# Altium PCB LimePSB-RPCM_1v2.PcbDoc (part 5 of 10) (continued)
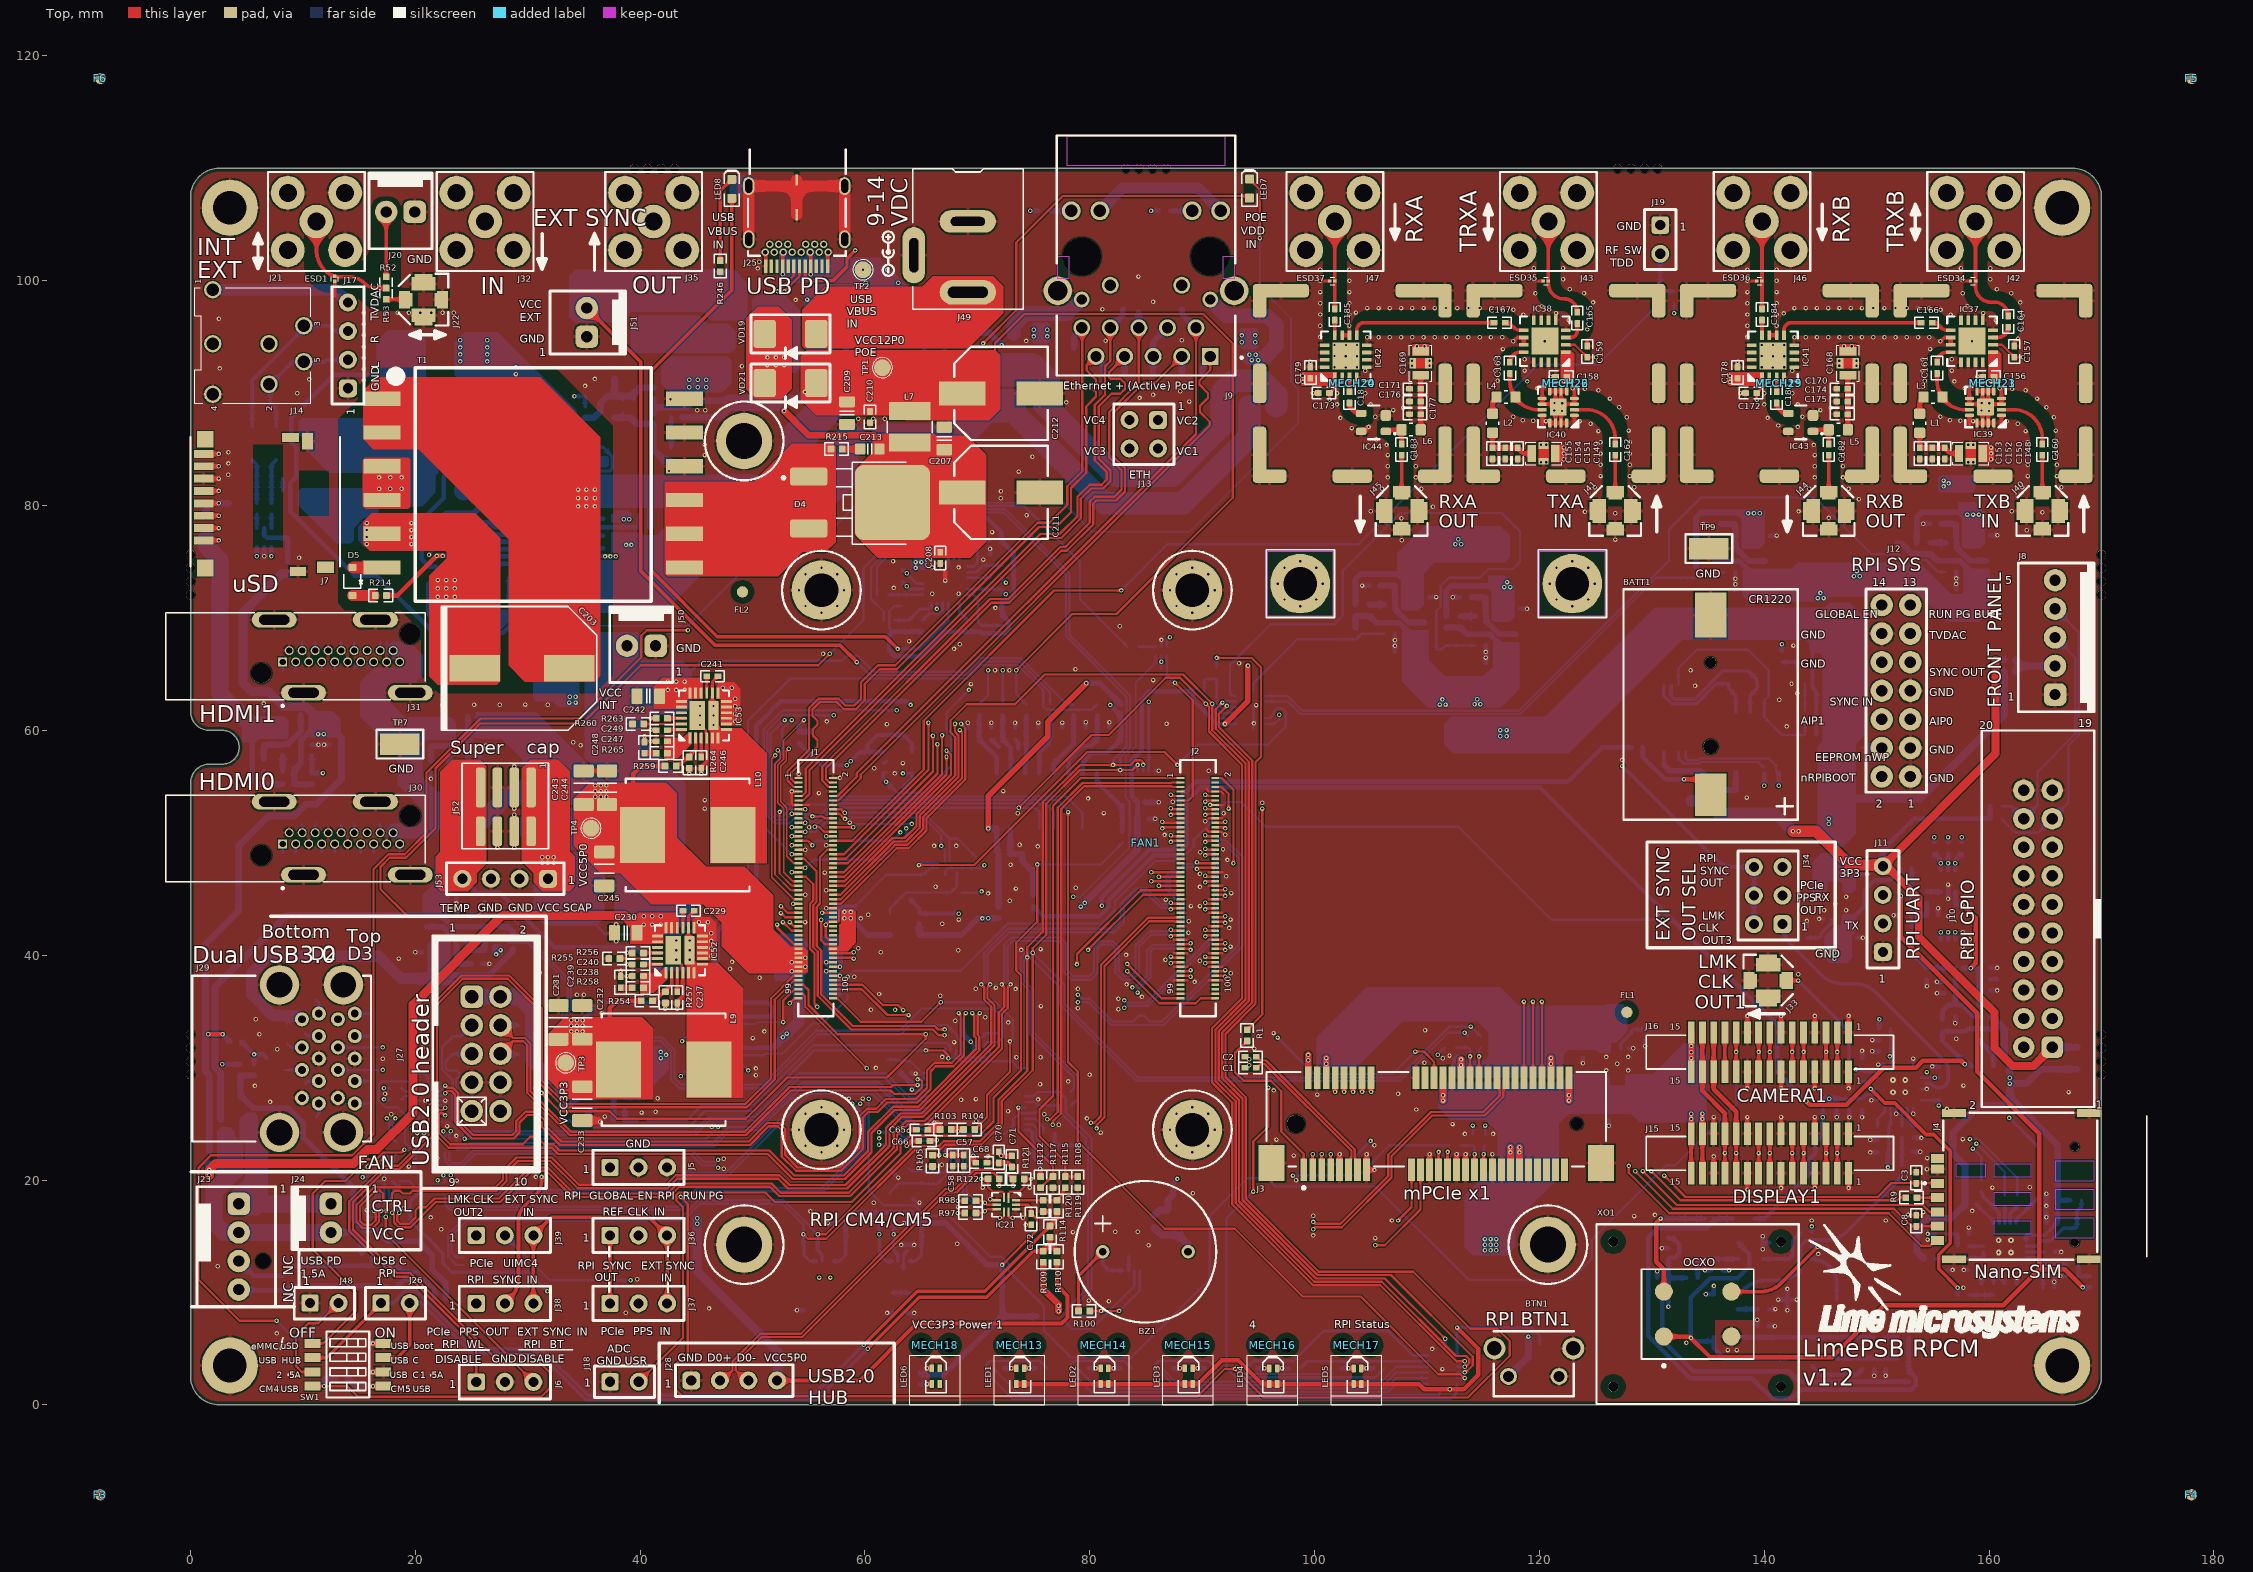
[diagram p0: Top view]
## Nets (pads, with @x,y where several pads share a name; then routed paths per layer and width w, separated by ;. In a path a pad name is that pad's centre, name@x,y a point inside that pad or via, vN(x,y) a via of type N, cw(c..) or ccw(c..) an arc to the next point about the centre after c; other vN are vias at no path point) (continued)
  other v2: 160.85,13.55 161.95,13.55 160.85,14.65 161.95,14.65 151.45,27.8 152.55,27.8 151.45,28.9 152.55,28.9 43.2,39.6 43.2,40.45 43.2,41.3 45.325,60.475 45.325,61.325 45.325,62.175
GNDE1: C204.1 FR12.2 IC49.6 IC49.8 IC49.9 IC49.10 IC49.PAD R213.1 R216.1 R219.2 R225.2 | length 40.4
  Bottom w0.4: IC49.PAD@31.775,76.125 IC49.6@34.454,76.125
  Bottom w3: IC49.PAD@31.45,76.45 31.45,73.8 33.325,71.925 41.45,71.925 ; 41.45,71.95 47.025,77.525 52.65,77.525 57.9,82.775 57.9,85 58.7,85.8
  other v1: 38.75,76.5 39.225,76.5 38.55,78.775 39.025,78.775
GNDE2: AT1.3 C202.1 C203.2 C206.2 C214.1 C215.1 C216.2 C217.2 C219.1 IC49.7 IC49.14 IC49.19 R230.1 R231.1 T1.5 VT4.3 | length 34
  Bottom w0.4: C206.2@25.425,73.2 25.691,73.466 25.691,73.691 27.475,75.475 IC49.14@28.446,75.475 ; C219.1@26.75,80.6 26.75,79.55 27.575,78.725 IC49.19@28.446,78.725 ; IC49.7@34.454,75.475 v1(36.875,75.475) v1(37.825,75.475)
  Bottom w0.6: C214.1@21.95,77.275 21.95,77.95 22.225,78.225 C215.1@22.225,78.5 22.225,78.725 22.775,79.275 25.15,79.275 26.384,80.509 26.659,80.509 C219.1@26.75,80.6
  Bottom w1: VT4.3@24.125,86.9 24.125,91.514 24.711,92.1 24.9,92.1 25.2,92.4 R231.1@25.2,93.425 ; C219.1@26.75,80.6 26.75,81.125 29.75,84.125 C202.1@34.5,84.125
  other v1: 22,71.875 22.75,71.875 23.5,71.875 22,72.625 22.75,72.625 23.5,72.625 22,73.375 22.75,73.375 23.5,73.375 37.35,75.475 15.675,76.575 19.65,76.575 15.675,77.2 19.65,77.2 15.675,77.825 19.65,77.825 15.675,78.45 19.65,78.45 28.95,91.7 28.95,92.325 24,92.825 26.4,92.825 24,93.45 26.4,93.45 24,94.075 26.4,94.075 24,94.7 26.4,94.7
HDMI0_CEC: ESD10.1 J2.51 J30.13 | length 84.4
  Top w0.2: v1(78.858,39.175) 78.858,40.108 84.525,45.775 J2.51@88.085,45.775
  L3 w0.1: J30.13@15.136,49.898 15.614,49.42 15.614,47.403 20.042,42.975 30.7,42.975 36.625,37.05 60.424,37.05 61.774,38.4 78.083,38.4 v1(78.858,39.175)
  Bottom w0.15: ESD10.1@15.136,49.075 J30.13@15.136,49.898
HDMI0_CLK_N: ESD9.1 J2.90 J30.12 | length 92.3
  Top w0.2: J2.90@91.165,38.175 91.95,38.175 v1(92.05,38.075)
  L3 w0.1: J30.12@14.558,50.898 14.08,51.376 14.08,51.83 14.375,52.125 17.75,52.125 22.275,47.6 22.275,45.484 22.734,45.025 34.115,45.025 ccw(c34.115,45.485) 34.575,45.485 34.575,46.797 cw(c34.835,46.797) 34.835,47.057 34.915,47.057 cw(c34.915,46.797) 35.175,46.797 35.175,45.485 ccw(c35.635,45.485) 35.635,45.025 44.917,45.025 48.967,40.975 87.517,40.975 88.617,39.875 89.55,39.875 89.925,40.25 90.525,40.25 91.25,39.525 91.25,38.575 91.55,38.275 91.841,38.275 92.041,38.075 v1(92.05,38.075)
  Bottom w0.15: J30.12@14.558,50.898 ESD9.1@14.558,51.722
HDMI0_CLK_P: ESD8.1 J2.88 J30.10 | length 92.7
  Top w0.2: J2.88@91.165,38.575 91.95,38.575 v1(92.05,38.675)
  L3 w0.1: J30.10@13.402,50.898 13.88,51.376 13.88,51.913 14.292,52.325 17.833,52.325 17.983,52.175 22.475,47.683 22.475,45.567 22.817,45.225 34.115,45.225 ccw(c34.115,45.485) 34.375,45.485 34.375,46.797 cw(c34.835,46.797) 34.835,47.257 34.915,47.257 cw(c34.915,46.797) 35.375,46.797 35.375,45.485 ccw(c35.635,45.485) 35.635,45.225 45,45.225 49.05,41.175 87.6,41.175 88.7,40.075 89.467,40.075 89.842,40.45 90.608,40.45 91.075,39.983 91.45,39.608 91.45,38.658 91.633,38.475 91.841,38.475 92.041,38.675 v1(92.05,38.675)
  Bottom w0.15: J30.10@13.402,50.898 ESD8.1@13.402,51.722
HDMI0_D0_N: ESD7.1 J2.84 J30.9 | length 92.3
  Top w0.2: v1(90.28,39.275) 90.38,39.375 J2.84@91.165,39.375
  L3 w0.1: J30.9@12.824,49.898 12.346,49.42 12.346,48.587 12.85,48.083 12.85,47.029 13.104,46.775 13.65,46.775 13.85,46.575 13.85,46.029 17.454,42.425 30,42.425 35.875,36.55 60.267,36.55 61.892,38.175 83.742,38.175 85.612,40.045 85.612,40.462 85.825,40.675 86.3,40.675 86.525,40.45 86.85,40.45 87.075,40.675 87.35,40.675 88.6,39.425 89.233,39.425 90.258,38.4 90.7,38.4 90.825,38.525 90.825,39.375 90.725,39.475 90.489,39.475 90.289,39.275 v1(90.28,39.275)
  Bottom w0.15: ESD7.1@12.824,49.075 J30.9@12.824,49.898
HDMI0_D0_P: ESD6.1 J2.82 J30.7 | length 92.4
  Top w0.2: v1(90.28,39.875) 90.38,39.775 J2.82@91.165,39.775
  L3 w0.1: J30.7@11.668,49.898 12.146,49.42 12.146,48.504 12.65,48 12.65,46.946 17.371,42.225 29.917,42.225 35.792,36.35 60.35,36.35 61.975,37.975 83.825,37.975 86.075,40.225 87.517,40.225 88.517,39.225 89.15,39.225 90.009,38.366 90.175,38.2 90.783,38.2 91.025,38.442 91.025,38.692 91.025,39.458 90.808,39.675 90.489,39.675 90.289,39.875 v1(90.28,39.875)
  Bottom w0.15: ESD6.1@11.668,49.075 J30.7@11.668,49.898
HDMI0_D1_N: ESD5.1 J2.78 J30.6 | length 92.3
  Top w0.2: J2.78@91.165,40.575 91.95,40.575 v1(92.05,40.475)
  L3 w0.1: J30.6@11.09,50.898 10.6,51.388 10.6,51.992 10.783,52.175 12.225,52.175 14.65,54.6 19.9,54.6 23.75,50.75 40.267,50.75 49.492,41.525 82.9,41.525 85.733,41.525 86.833,42.625 87.367,42.625 88.542,41.45 89.3,41.45 89.675,41.075 91.05,41.075 91.45,40.675 91.841,40.675 92.041,40.475 v1(92.05,40.475)
  Bottom w0.15: J30.6@11.09,50.898 ESD5.1@11.09,51.722
HDMI0_D1_P: ESD4.1 J2.76 J30.4 | length 92.7
  Top w0.2: J2.76@91.165,40.975 91.95,40.975 v1(92.05,41.075)
  L3 w0.1: J30.4@9.934,50.898 10.4,51.364 10.4,52.075 10.7,52.375 12.142,52.375 14.567,54.8 19.983,54.8 23.833,50.95 40.35,50.95 49.575,41.725 85.65,41.725 86.75,42.825 87.45,42.825 88.625,41.65 89.383,41.65 89.758,41.275 91.133,41.275 91.533,40.875 91.841,40.875 92.041,41.075 v1(92.05,41.075)
  Bottom w0.15: J30.4@9.934,50.898 ESD4.1@9.934,51.722
HDMI0_D2_N: ESD3.1 J2.72 J30.3 | length 92.4
  Top w0.2: v1(90.28,41.675) 90.38,41.775 J2.72@91.165,41.775
  L3 w0.1: J30.3@9.356,49.898 9.356,51.981 10.1,52.725 12.033,52.725 14.433,55.125 20.167,55.125 23.992,51.3 40.642,51.3 49.842,42.1 85.533,42.1 86.458,43.025 87.825,43.025 88.4,42.45 89.05,42.45 89.625,41.875 90.071,41.875 90.271,41.675 v1(90.28,41.675)
  Bottom w0.15: ESD3.1@9.356,49.075 J30.3@9.356,49.898
HDMI0_D2_P: ESD2.1 J2.70 J30.1 | length 93.1
  Top w0.2: v1(90.28,42.275) 90.38,42.175 J2.70@91.165,42.175
  L3 w0.1: J30.1@8.2,49.898 8.2,51.125 10,52.925 11.95,52.925 14.35,55.325 20.25,55.325 24.075,51.5 40.725,51.5 49.925,42.3 85.45,42.3 86.375,43.225 87.908,43.225 88.483,42.65 89.133,42.65 89.708,42.075 90.071,42.075 90.271,42.275 v1(90.28,42.275)
  Bottom w0.15: ESD2.1@8.2,49.075 J30.1@8.2,49.898
HDMI0_HPD: ESD13.1 J2.53 J30.19 | length 82.6
  Top w0.2: v1(79.85,40.475) 84.75,45.375 J2.53@88.085,45.375
  L3 w0.1: J30.19@18.604,49.898 17.07,48.364 17.07,46.796 20.291,43.575 30.949,43.575 36.874,37.65 60.175,37.65 61.675,39.15 77.125,39.15 78.45,40.475 v1(79.85,40.475)
  Bottom w0.15: ESD13.1@18.604,49.075 J30.19@18.604,49.898
HDMI0_SCL: ESD11.1 J2.100 J30.15 | length 85.8
  Top w0.2: v1(83.325,38.575) 86.175,35.725 89.425,35.725 89.875,36.175 J2.100@91.165,36.175
  L3 w0.1: J30.15@16.292,49.898 15.814,49.42 15.814,47.486 20.125,43.175 30.783,43.175 36.708,37.25 60.341,37.25 61.716,38.625 77.65,38.625 78.625,39.6 79.225,39.6 80.25,38.575 v1(83.325,38.575)
  Bottom w0.15: ESD11.1@16.292,49.075 J30.15@16.292,49.898
HDMI0_SDA: ESD12.1 J2.99 J30.16 | length 82.6
  Top w0.2: v1(83.325,39.225) 86.375,36.175 J2.99@88.085,36.175
  L3 w0.1: J30.16@16.87,50.898 16.87,46.713 20.208,43.375 30.866,43.375 36.791,37.45 60.258,37.45 61.708,38.9 77.425,38.9 78.425,39.9 79.425,39.9 80.1,39.225 v1(83.325,39.225)
  Bottom w0.15: J30.16@16.87,50.898 ESD12.1@16.87,51.722
HDMI1_CEC: ESD22.1 J2.49 J31.13 | length 82
  Top w0.2: v1(86.125,46.175) J2.49@88.085,46.175
  L3 w0.1: J31.13@15.136,66.098 16.384,64.85 33.292,64.85 41.142,57 46.475,57 49.55,53.925 54.926,53.925 61.851,47 83.55,47 84.375,46.175 v1(86.125,46.175)
  Bottom w0.15: ESD22.1@14.554,65.516 J31.13@15.136,66.098
HDMI1_CLK_N: ESD21.1 J2.66 J31.12 | length 96.1
  Top w0.2: J2.66@91.165,42.975 91.95,42.975 v1(92.05,42.875)
  L3 w0.1: J31.12@14.558,67.098 14.08,67.576 14.08,68.297 14.258,68.475 17.617,68.475 19.667,66.425 20.29,66.425 cw(c20.29,66.165) 20.55,66.165 20.55,66.11 ccw(c21.01,66.11) 21.01,65.65 21.09,65.65 ccw(c21.09,66.11) 21.55,66.11 21.55,67.027 cw(c21.81,67.027) 21.81,67.287 21.89,67.287 cw(c21.89,67.027) 22.15,67.027 22.15,66.11 ccw(c22.61,66.11) 22.61,65.65 22.69,65.65 ccw(c22.69,66.11) 23.15,66.11 23.15,66.165 cw(c23.41,66.165) 23.41,66.425 34.675,66.425 40.6,60.5 41.175,60.5 43.375,58.3 47.175,58.3 49.9,55.575 55.3,55.575 57.175,53.7 57.7,53.7 62.95,48.45 85.25,48.45 88.675,45.025 90.925,45.025 91.25,44.7 91.25,43.425 91.6,43.075 91.841,43.075 v1@92.041,42.875
  Bottom w0.15: J31.12@14.558,67.098 ESD21.1@14.558,67.922
HDMI1_CLK_P: ESD20.1 J2.64 J31.10 | length 96.5
  Top w0.2: J2.64@91.165,43.375 91.95,43.375 v1(92.05,43.475)
  L3 w0.1: J31.10@13.402,67.098 13.88,67.576 13.88,68.38 14.175,68.675 17.7,68.675 19.75,66.625 20.29,66.625 cw(c20.29,66.165) 20.75,66.165 20.75,66.11 ccw(c21.01,66.11) 21.01,65.85 21.09,65.85 ccw(c21.09,66.11) 21.35,66.11 21.35,67.027 cw(c21.81,67.027) 21.81,67.487 21.89,67.487 cw(c21.89,67.027) 22.35,67.027 22.35,66.11 ccw(c22.61,66.11) 22.61,65.85 22.69,65.85 ccw(c22.69,66.11) 22.95,66.11 22.95,66.165 cw(c23.41,66.165) 23.41,66.625 34.758,66.625 40.683,60.7 41.258,60.7 43.458,58.5 47.258,58.5 49.983,55.775 55.383,55.775 55.508,55.65 57.258,53.9 57.783,53.9 63.033,48.65 85.333,48.65 88.758,45.225 90.608,45.225 91.008,45.225 91.45,44.783 91.45,43.508 91.683,43.275 91.841,43.275 v1@92.041,43.475
  Bottom w0.15: J31.10@13.402,67.098 ESD20.1@13.402,67.922
HDMI1_D0_N: ESD19.1 J2.60 J31.9 | length 96.1
  Top w0.2: v1(90.28,44.075) 90.38,44.175 J2.60@91.165,44.175
  L3 w0.1: J31.9@12.824,66.098 12.346,65.62 12.346,65.237 17.058,60.525 30.19,60.525 ccw(c30.19,60.785) 30.45,60.785 30.45,62.075 cw(c30.91,62.075) 30.91,62.535 30.99,62.535 cw(c30.99,62.075) 31.45,62.075 31.45,60.785 ccw(c31.71,60.785) 31.71,60.525 36.783,60.525 40.608,56.7 46.1,56.7 49.175,53.625 54.833,53.625 61.808,46.65 83.208,46.65 84.258,45.6 84.725,45.6 85.025,45.9 85.358,45.9 85.658,45.6 86.125,45.6 86.65,46.125 86.983,46.125 88.358,44.75 89.15,44.75 89.4,44.5 89.4,43.708 89.658,43.45 90.637,43.45 90.825,43.637 90.825,44.175 90.725,44.275 90.489,44.275 90.289,44.075 v1(90.28,44.075)
  Bottom w0.15: ESD19.1@12.824,65.275 J31.9@12.824,66.098
HDMI1_D0_P: ESD18.1 J2.58 J31.7 | length 96
  Top w0.2: v1(90.28,44.675) 90.38,44.575 J2.58@91.165,44.575
  L3 w0.1: J31.7@11.668,66.098 12.146,65.62 12.146,65.154 16.975,60.325 30.19,60.325 ccw(c30.19,60.785) 30.65,60.785 30.65,62.075 cw(c30.91,62.075) 30.91,62.335 30.99,62.335 cw(c30.99,62.075) 31.25,62.075 31.25,60.785 ccw(c31.71,60.785) 31.71,60.325 36.7,60.325 40.525,56.5 45.975,56.5 49.05,53.425 54.75,53.425 61.725,46.45 83.125,46.45 84.175,45.4 87.425,45.4 89.575,43.25 90.72,43.25 91.025,43.555 91.025,44.258 90.808,44.475 90.489,44.475 90.289,44.675 v1(90.28,44.675)
  Bottom w0.15: ESD18.1@11.668,65.275 J31.7@11.668,66.098
HDMI1_D1_N: ESD17.1 J2.54 J31.6 | length 96.1
  Top w0.2: J2.54@91.165,45.375 91.95,45.375 v1(92.05,45.275)
  L3 w0.1: J31.6@11.09,67.098 10.612,67.576 10.612,68.154 13.258,70.8 19.275,70.8 22.2,67.875 35.175,67.875 44.025,59.025 47.55,59.025 50.1,56.475 55.27,56.475 57.445,54.3 57.875,54.3 63.075,49.1 85.675,49.1 89.3,45.475 91.841,45.475 92.041,45.275 v1(92.05,45.275)
  Bottom w0.15: J31.6@11.09,67.098 ESD17.1@11.09,67.922
HDMI1_D1_P: ESD16.1 J2.52 J31.4 | length 96.4
  Top w0.2: J2.52@91.165,45.775 91.95,45.775 v1(92.05,45.875)
  L3 w0.1: J31.4@9.934,67.098 10.412,67.576 10.412,68.237 13.175,71 19.375,71 22.3,68.075 35.258,68.075 44.108,59.225 47.633,59.225 50.183,56.675 55.353,56.675 57.528,54.5 57.958,54.5 63.158,49.3 85.758,49.3 85.875,49.183 89.383,45.675 91.841,45.675 92.041,45.875 v1(92.05,45.875)
  Bottom w0.15: J31.4@9.934,67.098 ESD16.1@9.934,67.922
HDMI1_D2_N: ESD15.1 J2.48 J31.3 | length 96.4
  Top w0.2: v1(90.28,46.475) 90.38,46.575 J2.48@91.165,46.575
  L3 w0.1: J31.3@9.356,66.098 9.356,68.223 12.483,71.35 19.467,71.35 22.342,68.475 22.6,68.475 35.367,68.475 44.242,59.6 47.85,59.6 50.525,56.925 55.842,56.925 57.867,54.9 58.2,54.9 62.725,50.375 85.667,50.375 89.367,46.675 90.071,46.675 90.271,46.475 v1(90.28,46.475)
  Bottom w0.15: ESD15.1@9.356,65.275 J31.3@9.356,66.098
HDMI1_D2_P: ESD14.1 J2.46 J31.1 | length 97.1
  Top w0.2: v1(90.28,47.075) 90.38,46.975 J2.46@91.165,46.975
  L3 w0.1: J31.1@8.2,66.098 8.2,67.35 12.4,71.55 19.55,71.55 22.425,68.675 35.45,68.675 35.749,68.376 44.325,59.8 47.933,59.8 50.608,57.125 55.925,57.125 57.95,55.1 58.283,55.1 62.808,50.575 85.75,50.575 89.45,46.875 90.071,46.875 90.271,47.075 v1(90.28,47.075)
  Bottom w0.15: ESD14.1@8.2,65.275 J31.1@8.2,66.098
HDMI1_HPD: ESD25.1 J2.43 J31.19 | length 79.8
  Top w0.2: v1(85.475,47.375) J2.43@88.085,47.375
  L3 w0.1: J31.19@18.604,66.098 19.252,65.45 33.733,65.45 41.383,57.8 46.858,57.8 49.533,55.125 54.575,55.125 62.1,47.6 84.425,47.6 84.65,47.375 v1(85.475,47.375)
  Bottom w0.1: ESD25.1@17.525,67.925 17.475,67.875 17.475,67.587 17.475,66.872 17.897,66.45 18.252,66.45 J31.19@18.604,66.098
HDMI1_SCL: ESD23.1 J2.47 J31.15 | length 81
  Top w0.2: v1(85.475,46.575) J2.47@88.085,46.575
  L3 w0.1: J31.15@16.292,66.098 J31.15@16.292,66.098 16.293,65.607 16.85,65.05 33.375,65.05 41.225,57.2 46.558,57.2 49.633,54.125 55.009,54.125 61.934,47.2 83.825,47.2 84.45,46.575 v1(85.475,46.575)
  Bottom w0.15: ESD23.1@15.71,65.516 J31.15@16.292,66.098
HDMI1_SDA: ESD24.1 J2.45 J31.16 | length 81.2
  Top w0.2: v1(86.125,46.975) J2.45@88.085,46.975
  L3 w0.1: J31.16@16.87,67.098 16.87,65.755 17.375,65.25 33.65,65.25 41.3,57.6 46.775,57.6 49.45,54.925 54.492,54.925 62.017,47.4 84.1,47.4 84.525,46.975 v1(86.125,46.975)
  Bottom w0.15: J31.16@16.87,67.098 ESD24.1@16.87,67.922
HDR_INT_TO_EXT: J20.2 R52.2 | length 5.8
  Top w0.325: R52.2@17.4,100.35 J20.2@17.4,106.121
INT_TO_EXT: ESD1.1 J21.1 R52.1 R53.1 | length 10.4
  Top w0.325: J21.1@11.2,105.275 11.2,102.727 ccw(c13.74,102.727) 11.944,100.931 ccw(c13.347,102.334) 13.347,100.35 14.122,100.35 cw(c14.122,98.472) 15.45,99.8 ccw(c16.536,100.886) 16.536,99.35 R52.1@17.4,99.35
ISNK_COARSE: IC51.5 R238.2 R241.2 R243.2 | length 143.9
  Top w0.2: v1(7.65,7.475) 4.35,7.475 0.7,11.125 0.7,21.075 1.825,22.2 14.375,22.2 16.275,24.1 16.275,47.649 17.601,48.975 19.05,48.975 20.985,50.91 20.985,56.235 25.8,61.05 34.65,61.05 40.1,66.5 40.1,68.425 40.575,68.9 v1(44.25,68.9)
  L3 w0.1: v1(44.25,68.9) 45.3,67.85 46.625,67.85 51.125,63.35 51.125,61.9 52.575,60.45 53.525,60.45 53.863,60.788 53.863,61.387 58.05,65.575 64.9,65.575 71.445,72.12 v1(72.516,72.12)
  Bottom w0.2: v1(7.65,7.475) 9.25,5.875 R241.2@9.825,5.875
  Bottom w0.25: IC51.5@69.116,72.575 R238.2@72.061,72.575
  Bottom w0.4: R238.2@72.166,72.47 v1(72.516,72.12)
ISNK_FINE: IC51.6 R239.2 R244.2 | length 5.4
  Bottom w0.25: IC51.6@69.116,72.075 69.661,72.075 70.041,71.695 70.041,69.645 70.341,69.345 R244.2@71.066,69.345 R239.2@72.166,69.345
LM75_OS: IC9.3 R41.1 R86.1 | length 163.2
  L3 w0.1: v1(2.825,30.3) 2.45,30.675 2.45,54.025 5.55,57.125 5.55,59.725 1.775,63.5 1.775,76.8 1.225,77.35 1.225,84.483 2.342,85.6 3.758,85.6 14.533,74.825 17.183,74.825 22.733,69.275 42.05,69.275 44.85,66.475 46.253,66.475 49.75,62.978 49.75,61.408 51.933,59.225 55.675,59.225 59.425,62.975 84.825,62.975 v1(85.25,62.55)
  Bottom w0.25: IC9.3@85.25,56.4 R41.1@85.25,57.851 v1(85.25,62.55)
  Bottom w0.4: v1(2.825,30.3) R86.1@4.425,30.3
LMK_CLK_OUT1: IC31.5 R148.2 | length 1.6
  Bottom w0.25: R148.2@148.65,28.75 148.654,28.754 149.179,28.754 149.525,29.1 IC31.5@150.075,29.1
LMK_CLK_OUT2: IC31.13 J39.1 | length 147.2
  L4 w0.1: J39.1@25.419,15.075 24.669,14.325 ccw(c26.465,12.529) 23.925,12.529 23.925,9.465 ccw(c26.465,9.465) 26.465,6.925 110.956,6.925 ccw(c110.956,9.144) 112.525,7.575 112.706,7.756 cw(c114.502,5.96) 114.502,8.5 128.373,8.5 ccw(c128.373,11.04) 130.169,9.244 140.881,19.956 cw(c142.677,18.16) 142.677,20.7 145.013,20.7 ccw(c145.013,23.24) 146.809,21.444 154.104,28.739 ccw(c153.241,29.601) v1(154.461,29.601)
LMK_CLK_OUT3: IC31.15 J34.1 | length 24
  Bottom w0.325: J34.1@141.621,42.761 ccw(c144.113,42.761) 142.352,40.998 145.131,38.219 ccw(c146.927,40.015) 146.927,37.475 148.073,37.475 cw(c148.073,34.935) 149.869,36.731 156.15,30.45 cw(c155.607,29.907) 156.375,29.907 156.375,29.021 cw(c155.554,29.021) 155.554,28.2 cw(c155.554,29.054) 154.95,28.45 ccw(c154.588,28.088) 154.588,28.6 154.385,28.6
NetAT1_1: AT1.1 R218.2 | length 2.7
  Bottom w0.4: AT1.1@42.75,85.185 R218.2@42.75,87.85
NetAT1_2: AT1.2 C218.2 D8.3 R226.2 | length 8
  Bottom w0.6: D8.3@37.7,87.825 39.15,87.825 39.7,87.275 41.127,87.275 R226.2@41.155,87.247 41.155,84.995 42.192,83.958 42.707,83.958 AT1.2@42.75,83.915
NetBATT1_POSITIVE: BATT1.POSITIVE D1.A2 R78.2 | length 8.4
  Top w0.4: v1(132.858,55.65) BATT1.POSITIVE@134.825,55.65
  Bottom w0.4: R78.2@129.2,58.5 129.2,57.625 131.175,55.65 v1(132.858,55.65) 133.746,55.65 D1.A2@133.758,55.638 D1.A2@133.958,55.638
NetBR1_1: BR1.1 BR2.1 C205.1 FR11.1 VD18.K | length 47.2
  Bottom w2: 75.85,90.675 75.85,89.125 82.325,82.65 87.3,82.65 91.725,87.075 91.725,90.05 92.8,91.125 95.3,91.125 96.575,89.85 BR1.1@96.575,88.85
  Bottom w3: 61.9,89.825 67.125,89.825 69.375,92.075 74.725,92.075 75.9,90.9
NetBR1_2: BR1.2 BR2.2 C205.2 FR12.1 VD18.A | length 42.8
  Bottom w2: BR2.2@73.225,89.35 73.225,88.325 81.325,80.225 88.3,80.225 94.175,86.1 BR1.2@94.175,88.85
  Bottom w3: 61.9,85.825 VD18.A@63.575,85.825 67.675,85.825 70.725,88.875 BR2.2@72.875,88.875
NetBZ1_2: BZ1.2 R28.2 VT1.D | length 4.3
  Bottom w0.6: R28.2@85.685,15.79 86.355,15.12 VT1.D@87.9,15.12 88.75,14.27 BZ1.2@88.75,13.625
NetC14_2: C14.2 C15.1 FR1.1 J7.4 | length 4.2
  Top w0.4: J7.4@1.18,80.2 v1(2.5,80.2)
  Bottom w0.6: FR1.1@1.375,79.05 1.375,79.775 C15.1@1.8,80.2 v1(2.5,80.2) C14.2@3.375,80.2
NetC17_1: C17.1 J8.2 R17.2 R19.2 | length 4.5
  Bottom w0.6: R17.2@162.332,65.182 162.882,65.732 ; R19.2@162.332,66.282 162.882,65.732 ; J8.2@165.875,65.732 C17.1@163.632,65.732 162.882,65.732
NetC22_1: C22.1 IC6.5 R24.1 R26.2 | length 6.4
  Bottom w0.5: R26.2@6.51,57.423 R24.1@6.51,58.673 ; R24.1@6.562,58.725 IC6.5@8.2,58.725 8.25,58.775 8.662,58.775 9.8,59.913 C22.1@9.8,61.373
NetC24_1: C24.1 J9.4 J9.5 | length 4.6
  Bottom w0.5: C24.1@85.625,91.725 J9.5@85.625,93.265 ; J9.5@85.635,93.275 85.635,94.545 J9.4@86.905,95.815
NetC26_2: C26.2 C27.1 R33.2 R34.2 | length 4
  Bottom w0.325: R33.2@7.2,80.225 R34.2@7.2,81.325 C27.1@7.2,82.375 7.2,83.625 C26.2@7.625,84.05
NetC28_2: C28.2 C29.2 R36.1 R38.2 | length 4
  Bottom w0.325: C29.2@5.475,84.05 5.9,83.625 C28.2@5.9,82.375 R36.1@5.9,81.325 R38.2@5.9,80.225
NetC30_2: C30.2 C31.1 FR2.1 IC7.5 | length 5
  Bottom w0.4: IC7.5@6.55,77.975 6.55,77.375 6.8,77.125 C31.1@8.65,77.125 FR2.1@8.65,74.952
NetC34_2: C34.2 C35.1 IC8.15 R45.1 R48.2 R49.1 | length 7.4
  Bottom w0.5: IC8.15@72.926,51.22 72.926,49.06 R45.1@72.876,49.01 R49.1@73.974,49.01 ; R49.1@73.974,49.01 73.986,48.998 73.986,48.398 74.926,47.458 74.926,47.435 C35.1@74.976,47.435 C34.2@74.976,46.435 R48.2@74.976,45.36
NetC50_2: C50.2 J23.1 J24.1 R82.2 VT2.D | length 10.8
  Bottom w0.5: 5.375,22.7 C50.2@5.375,21.325 R82.2@6.575,21.325
  Bottom w1.5: J23.1@4.287,17.88 J24.1@12.491,17.88
NetC54_2: C54.2 IC19.2 R91.1 | length 2.4
  Bottom w0.2: C54.2@143.625,61.7 R91.1@143.625,62.8 IC19.2@143.625,64.15
NetC57_2: C57.2 C58.1 IC20.62 | length 2.3
  Top w0.3: v1(67.125,22.225) C58.1@67.8,22.225 C57.2@68.8,22.225
  Bottom w0.2: v1(67.125,22.225) IC20.62@67.125,22.825
NetC60_2: C60.2 IC20.61 R107.1 XT2.1 | length 5.7
  Bottom w0.2: XT2.1@63.9,21.025 64.1,20.825 C60.2@65.375,20.825 66.25,20.825 R107.1@66.425,20.65 67.001,20.65 67.625,21.274 IC20.61@67.625,22.825
NetC61_2: C61.2 IC20.60 R107.2 XT2.3 | length 8.6
  Bottom w0.2: XT2.3@62.2,18.825 62.2,18.898 63.027,19.725 65.3,19.725 C61.2@65.375,19.65 R107.2@66.425,19.65 68.125,21.35 IC20.60@68.125,22.825
NetC62_2: C62.2 C63.1 IC20.25 | length 2.7
  Bottom w0.2: IC20.25@70.125,31.575 70.125,32.425 70.748,33.047 C62.2@71.749,33.047
NetC78_1: C78.1 IC24.5 R128.1 R129.2 | length 6.9
  Bottom w0.5: R129.2@32.925,26.475 33.525,26.475 R128.1@34.335,27.285 ; R128.1@34.387,27.337 IC24.5@36.025,27.337 36.075,27.387 36.487,27.387 37.625,28.525 C78.1@37.625,29.985
NetC83_1: C83.1 IC25.5 R136.1 R138.2 | length 6.4
  Bottom w0.5: C83.1@21.01,42.53 22.47,42.53 23.608,41.392 23.608,40.98 IC25.5@23.658,40.93 R136.1@23.658,39.292 ; R136.1@23.71,39.24 R138.2@24.96,39.24
NetC88_1: C88.1 IC28.5 R142.1 R144.2 | length 6.4
  Bottom w0.5: R144.2@21.385,57.323 R142.1@21.385,58.573 ; R142.1@21.437,58.625 IC28.5@23.075,58.625 23.125,58.675 23.537,58.675 24.675,59.813 C88.1@24.675,61.273
NetC91_1: C91.1 IC29.14 | length 1.3
  Bottom w0.2: C91.1@18.75,28.175 18.8,28.175 18.95,28.025 18.95,27.992 19.067,27.875 IC29.14@19.923,27.875
NetC92_1: C92.1 IC30.14 | length 1.4
  Bottom w0.2: IC30.14@18.023,21.102 18.023,22.033 18.14,22.15 18.175,22.15 18.325,22.3 C92.1@18.325,22.35
NetC93_1: C93.1 IC29.13 | length 1.3
  Bottom w0.2: C93.1@18.75,27.175 18.8,27.175 18.95,27.325 18.95,27.358 19.067,27.475 IC29.13@19.923,27.475
NetC94_1: C94.1 IC30.13 | length 1.4
  Bottom w0.2: C94.1@17.323,22.35 17.323,22.3 17.473,22.15 17.506,22.15 17.623,22.033 IC30.13@17.623,21.102
NetC97_2: C97.2 C98.2 C99.1 R146.2 XO1.4 | length 10.9
  Top w0.4: v1(130.775,16.575) 130.4,16.2 130.4,12.725 131.075,12.05 XO1.4@131.075,10.075
  Bottom w0.4: v1(130.775,16.575) C99.1@131.2,16.575 C97.2@132.2,16.575 C98.2@133.475,16.575 R146.2@134.725,16.575